# Altium PCB 电解水杯拼版6in1.PcbDoc (part 8 of 9)
Units mm, origin at the board's own origin, x right, y up, seen from the top; angles counter-clockwise.
Board outline 210 x 138 mm, 2 copper layers (Top Layer, Bottom Layer); 750 components, 0 nets, 2092 pads, 2070 vias.
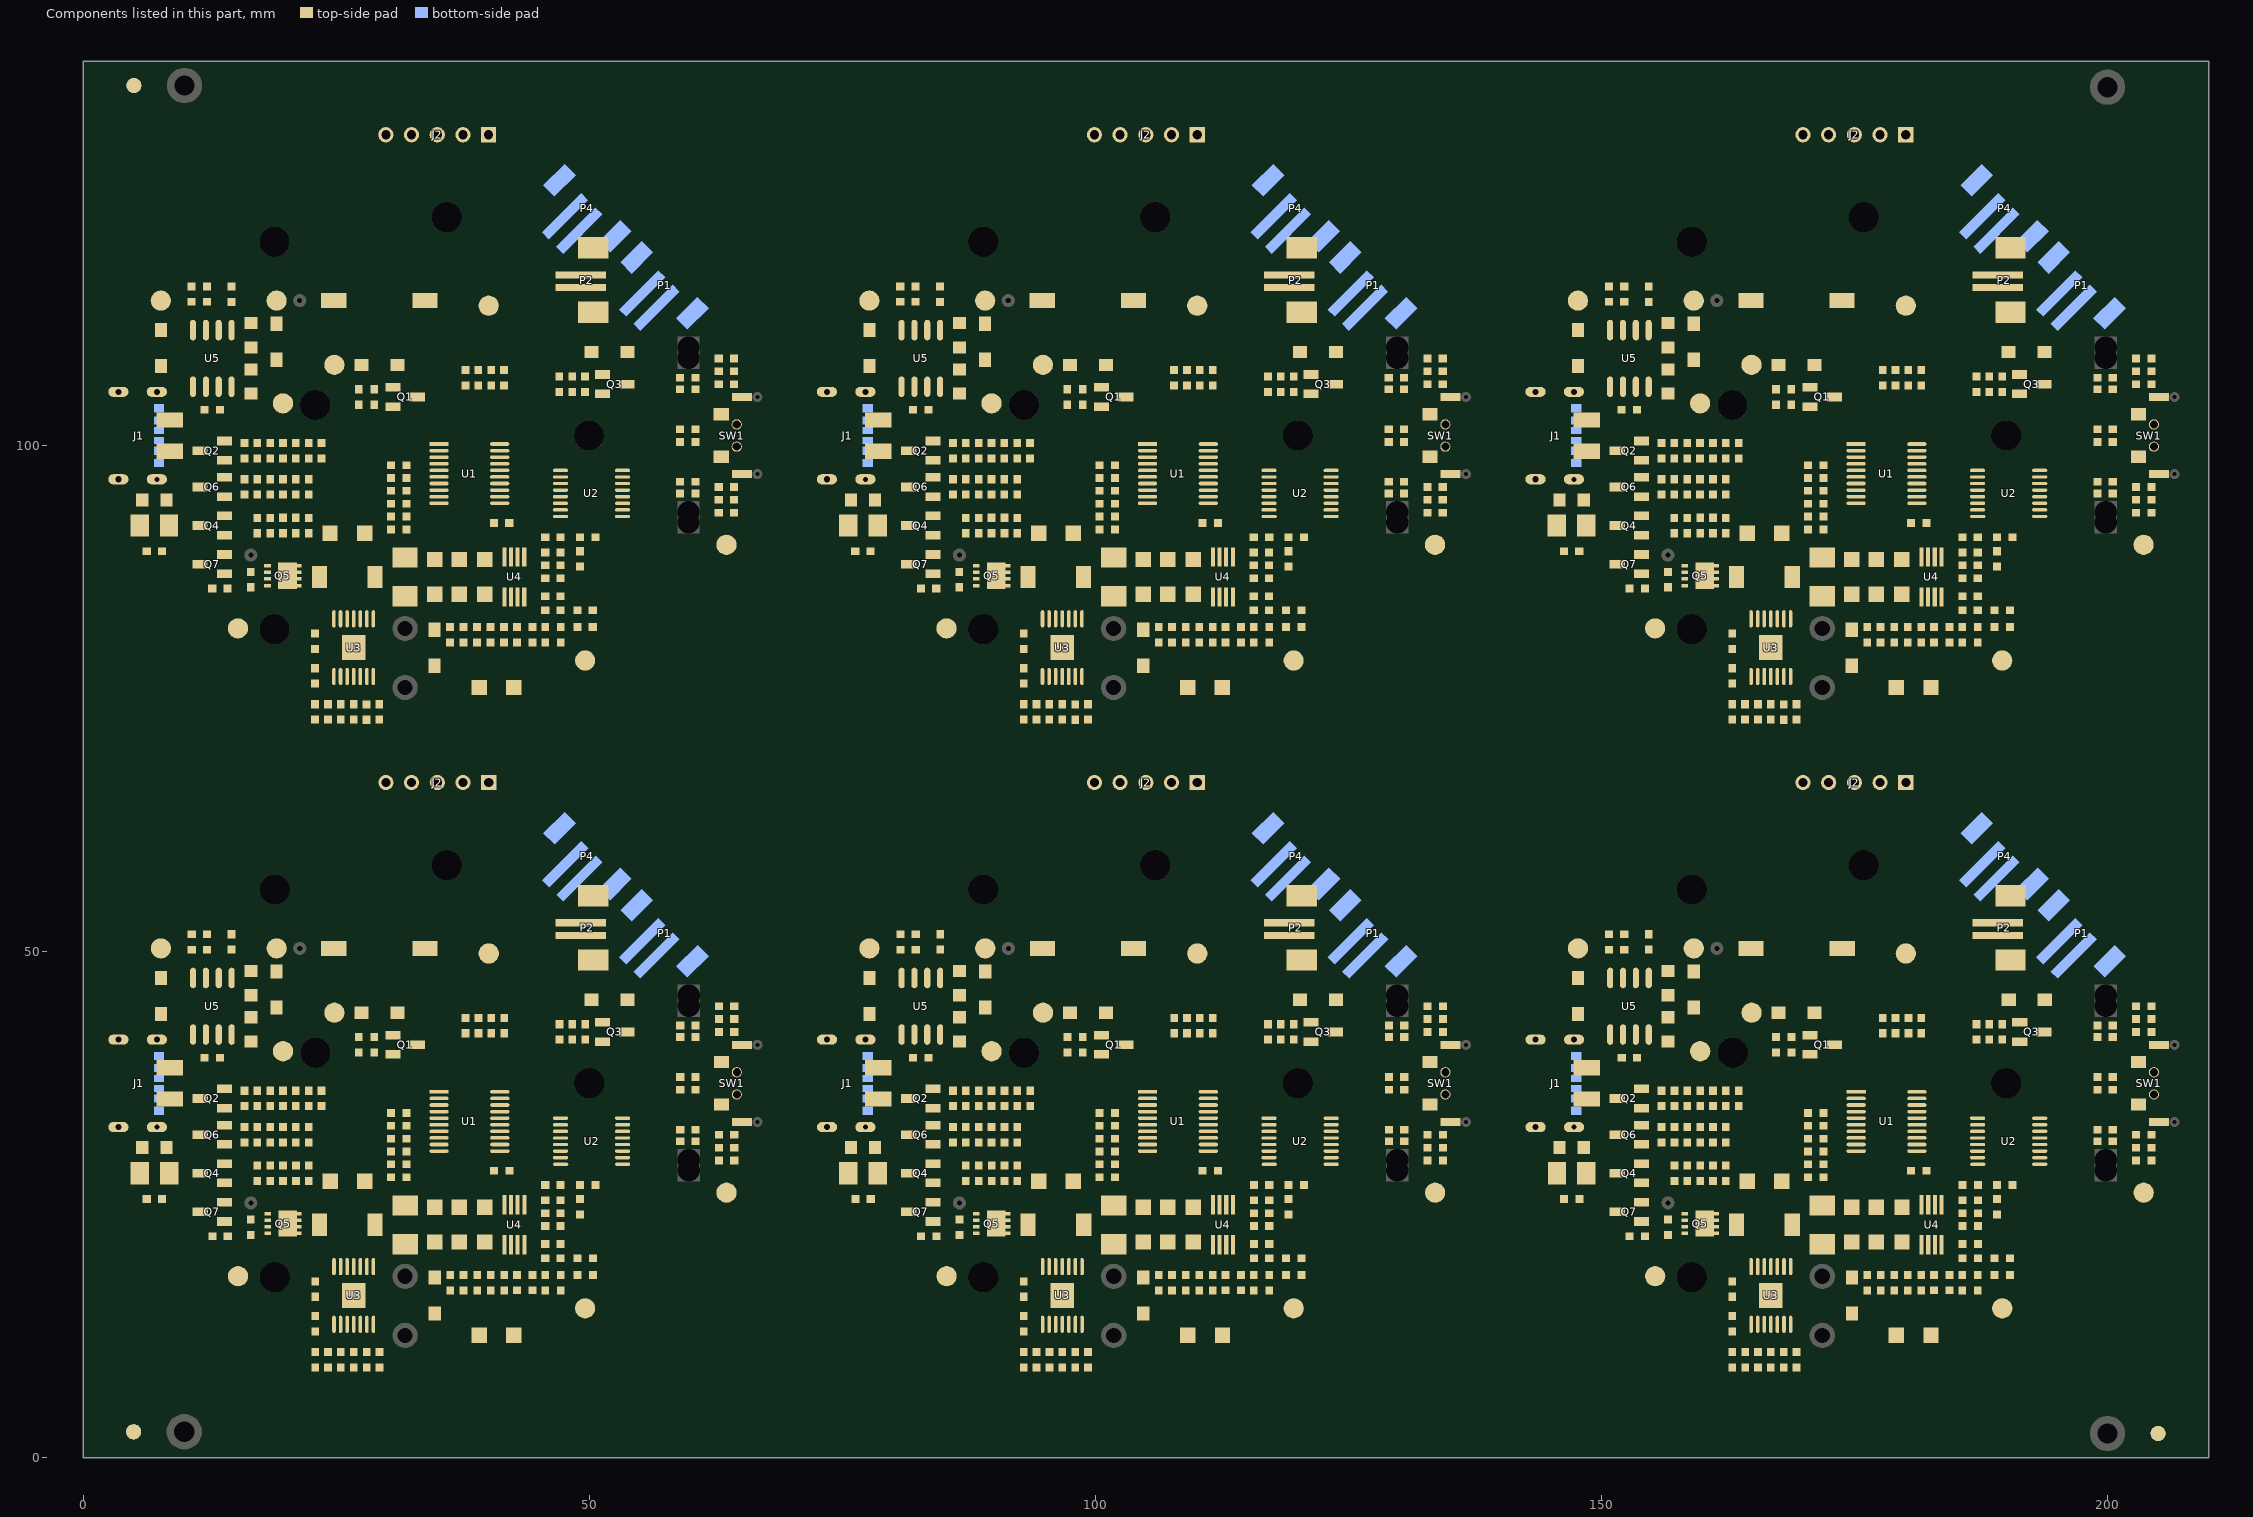
[diagram p8: the components of this part, seen from the top]

## Via types
v1: diameter 0.6, hole 0.3, Top Layer to Bottom Layer, 1968 vias
v2: diameter 0.8, hole 0.4, Top Layer to Bottom Layer, 102 vias

## Nets (pads, with @x,y where several pads share a name; then routed paths per layer and width w, separated by ;. In a path a pad name is that pad's centre, name@x,y a point inside that pad or via, vN(x,y) a via of type N, cw(c..) or ccw(c..) an arc to the next point about the centre after c; other vN are vias at no path point) (continued)
copper on no net: (continued)
  Bottom Layer w0.254: 7.518,100.5 21.284,100.5 v1(22.292,101.508) ; 7.518,101.5 v1@19.744,101.5 ; 7.524,36.5 21.29,36.5 v1(22.298,37.508) ; 7.524,37.5 v1@19.75,37.5 ; 7.826,100.342 cw(c8.206,99.962) 8.206,100.5 cw(c8.206,101.038) 7.826,100.658 ; 7.826,101.342 cw(c8.206,100.962) 8.206,101.5 cw(c8.206,102.038) 7.826,101.658 ; 7.831,36.342 cw(c8.212,35.962) 8.212,36.5 cw(c8.212,37.038) 7.831,36.658 ; 7.831,37.342 cw(c8.212,36.962) 8.212,37.5 cw(c8.212,38.038) 7.831,37.658 ; 19.315,101.5 ccw(c19.315,101.945) v1@19.63,101.63 ; 19.321,37.5 ccw(c19.321,37.945) v1@19.635,37.63 ; 19.354,101.5 cw(c19.354,101.11) v1@19.63,101.386 ; 19.359,37.5 cw(c19.359,37.11) v1@19.635,37.386 ; v1(19.752,93.888) 24.324,93.888 24.832,94.396 v1(24.832,100.162) ; v1(19.758,29.888) 24.33,29.888 24.838,30.396 v1(24.838,36.162) ; v1@19.874,93.766 cw(c20.17,93.47) 20.17,93.888 cw(c20.17,94.306) v1@19.874,94.01 ; v1@19.88,29.766 cw(c20.175,29.47) 20.175,29.888 cw(c20.175,30.306) v1@19.88,30.01 ; v1@22.119,101.508 cw(c21.701,101.508) 21.997,101.213 cw(c22.292,100.917) v1@22.292,101.335 ; v1@22.125,37.508 cw(c21.707,37.508) 22.002,37.213 cw(c22.298,36.917) v1@22.298,37.335 ; v1@24.71,100.039 cw(c24.414,99.744) 24.832,99.744 cw(c25.25,99.744) v1@24.954,100.039 ; v1@24.715,36.039 cw(c24.42,35.744) 24.838,35.744 cw(c25.255,35.744) v1@24.96,36.039 ; v1(25.467,105.445) 26.102,106.08 v1(26.102,109.89) ; v1@25.467,105.618 ccw(c25.467,106.036) 25.762,105.74 ccw(c26.058,105.445) v1@25.64,105.445 ; v1(25.473,41.445) 26.108,42.08 v1(26.108,45.89) ; v1@25.473,41.618 ccw(c25.473,42.036) 25.768,41.74 ccw(c26.063,41.445) v1@25.646,41.445 ; v1@25.472,96.804 ccw(c25.176,97.1) 25.594,97.1 ccw(c26.012,97.1) v1@25.716,96.804 ; v1@25.472,100.878 cw(c25.176,100.582) 25.594,100.582 cw(c26.012,100.582) v1@25.716,100.878 ; v1@25.477,32.804 ccw(c25.182,33.1) 25.6,33.1 ccw(c26.017,33.1) v1@25.722,32.804 ; v1@25.477,36.878 cw(c25.182,36.582) 25.6,36.582 cw(c26.017,36.582) v1@25.722,36.878 ; v1(25.594,96.682) v1(25.594,101) ; v1(25.6,32.682) v1(25.6,37) ; v1@25.98,109.768 cw(c25.684,109.472) 26.102,109.472 cw(c26.52,109.472) v1@26.224,109.768 ; v1@25.985,45.768 cw(c25.69,45.472) 26.108,45.472 cw(c26.525,45.472) v1@26.23,45.768 ; 32.011,130.278 cw(c30.948,129.215) 32.452,129.215 cw(c33.956,129.215) 32.892,130.278 ; 32.017,66.278 cw(c30.953,65.215) 32.457,65.215 cw(c33.961,65.215) 32.898,66.278 ; 32.191,130.458 cw(c31.561,129.828) 32.452,129.828 cw(c33.343,129.828) 32.713,130.458 ; 32.196,66.458 cw(c31.566,65.828) 32.457,65.828 cw(c33.348,65.828) 32.718,66.458 ; 32.452,130.719 32.452,128.305 33.087,127.67 39.056,127.67 39.437,127.289 39.437,120.177 36.008,116.748 v1(36.008,116.24) ; 32.457,66.719 32.457,64.305 33.092,63.67 39.062,63.67 39.443,63.289 39.443,56.177 36.014,52.748 v1(36.014,52.24) ; v1(33.622,98.212) 35.379,98.212 36.008,98.841 v1(36.008,104.302) ; v1(33.627,34.212) 35.384,34.212 36.014,34.841 v1(36.014,40.302) ; v1@33.744,98.089 cw(c34.04,97.794) 34.04,98.212 cw(c34.04,98.629) v1@33.744,98.334 ; v1@33.75,34.089 cw(c34.045,33.794) 34.045,34.212 cw(c34.045,34.629) v1@33.75,34.334 ; 34.551,130.278 cw(c33.488,129.215) 34.992,129.215 cw(c36.496,129.215) 35.432,130.278 ; 34.557,66.278 cw(c33.493,65.215) 34.997,65.215 cw(c36.501,65.215) 35.438,66.278 ; 34.731,130.458 cw(c34.101,129.828) 34.992,129.828 cw(c35.883,129.828) 35.253,130.458 ; 34.736,66.458 cw(c34.106,65.828) 34.997,65.828 cw(c35.888,65.828) 35.258,66.458 ; 34.992,130.719 34.992,128.813 35.5,128.305 39.437,128.305 40.072,127.67 40.072,119.662 36.897,116.487 36.897,115.859 37.278,115.478 38.294,115.478 v1(39.056,116.24) ; 34.997,66.719 34.997,64.813 35.506,64.305 39.443,64.305 40.078,63.67 40.078,55.662 36.903,52.487 36.903,51.859 37.284,51.478 38.3,51.478 v1(39.062,52.24) ; v1@35.886,104.18 cw(c35.59,103.884) 36.008,103.884 cw(c36.426,103.884) v1@36.13,104.18 ; v1@35.886,116.362 ccw(c35.59,116.658) 36.008,116.658 ccw(c36.426,116.658) v1@36.13,116.362 ; v1@35.891,40.18 cw(c35.596,39.884) 36.014,39.884 cw(c36.431,39.884) v1@36.136,40.18 ; v1@35.891,52.362 ccw(c35.596,52.658) 36.014,52.658 ccw(c36.431,52.658) v1@36.136,52.362 ; v1@36.775,95.734 ccw(c36.479,96.029) 36.897,96.029 ccw(c37.315,96.029) v1@37.019,95.734 ; v1@36.775,103.418 cw(c36.479,103.122) 36.897,103.122 cw(c37.315,103.122) v1@37.019,103.418 ; v1@36.78,31.734 ccw(c36.485,32.029) 36.903,32.029 ccw(c37.32,32.029) v1@37.025,31.734 ; v1@36.78,39.418 cw(c36.485,39.122) 36.903,39.122 cw(c37.32,39.122) v1@37.025,39.418 ; v1(36.897,95.612) v1(36.897,103.54) ; v1(36.903,31.612) v1(36.903,39.54) ; 37.091,130.278 cw(c36.028,129.215) 37.532,129.215 cw(c39.036,129.215) 37.972,130.278 ; 37.097,66.278 cw(c36.033,65.215) 37.537,65.215 cw(c39.041,65.215) 37.978,66.278 ; 37.271,130.458 cw(c36.641,129.828) 37.532,129.828 cw(c38.423,129.828) 37.793,130.458 ; 37.276,66.458 cw(c36.646,65.828) 37.537,65.828 cw(c38.428,65.828) 37.798,66.458 ; 37.532,130.719 37.532,129.194 37.786,128.94 40.072,128.94 40.707,128.305 40.707,119.161 v1(37.786,116.24) ; 37.537,66.719 37.537,65.194 37.792,64.94 40.078,64.94 40.713,64.305 40.713,55.161 v1(37.792,52.24) ; v1@37.664,98.074 ccw(c37.368,98.37) 37.786,98.37 ccw(c38.204,98.37) v1@37.908,98.074 ; v1@37.664,104.18 cw(c37.368,103.884) 37.786,103.884 cw(c38.204,103.884) v1@37.908,104.18 ; v1@37.669,34.074 ccw(c37.374,34.37) 37.792,34.37 ccw(c38.209,34.37) v1@37.914,34.074 ; v1@37.669,40.18 cw(c37.374,39.884) 37.792,39.884 cw(c38.209,39.884) v1@37.914,40.18 ; v1(37.786,97.952) v1(37.786,104.302) ; v1@37.786,116.413 ccw(c37.786,116.831) 38.081,116.535 ccw(c38.377,116.24) v1@37.959,116.24 ; v1(37.792,33.952) v1(37.792,40.302) ; v1@37.792,52.413 ccw(c37.792,52.831) 38.087,52.535 ccw(c38.382,52.24) v1@37.965,52.24 ; v1@38.883,116.24 cw(c38.465,116.24) 38.761,115.945 cw(c39.056,115.649) v1@39.056,116.067 ; v1@38.889,52.24 cw(c38.471,52.24) 38.766,51.945 cw(c39.062,51.649) v1@39.062,52.067 ; v1@39.315,97.684 ccw(c39.019,97.979) 39.437,97.979 ccw(c39.855,97.979) v1@39.559,97.684 ; v1@39.315,100.878 cw(c39.019,100.582) 39.437,100.582 cw(c39.855,100.582) v1@39.559,100.878 ; v1@39.32,33.684 ccw(c39.025,33.979) 39.443,33.979 ccw(c39.86,33.979) v1@39.565,33.684 ; v1@39.32,36.878 cw(c39.025,36.582) 39.443,36.582 cw(c39.86,36.582) v1@39.565,36.878 ; v1(39.437,97.562) v1(39.437,101) ; v1(39.443,33.562) v1(39.443,37) ; v1(42.612,113.827) v1(47.184,113.827) ; v1(42.618,49.827) v1(47.19,49.827) ; v1@42.617,93.756 ccw(c42.321,94.052) 42.739,94.052 ccw(c43.157,94.052) v1@42.861,93.756 ; v1@42.617,101.64 cw(c42.321,101.344) 42.739,101.344 cw(c43.157,101.344) v1@42.861,101.64 ; v1@42.622,29.756 ccw(c42.327,30.052) 42.745,30.052 ccw(c43.162,30.052) v1@42.867,29.756 ; v1@42.622,37.64 cw(c42.327,37.344) 42.745,37.344 cw(c43.162,37.344) v1@42.867,37.64 ; v1@42.734,113.705 cw(c43.03,113.409) 43.03,113.827 cw(c43.03,114.245) v1@42.734,113.949 ; v1@42.74,49.705 cw(c43.035,49.409) 43.035,49.827 cw(c43.035,50.245) v1@42.74,49.949 ; v1(42.739,93.634) v1(42.739,101.762) ; v1(42.739,103.54) 43.374,103.54 43.628,103.286 v1(43.628,98.841) ; v1(42.745,29.634) v1(42.745,37.762) ; v1(42.745,39.54) 43.38,39.54 43.634,39.286 v1(43.634,34.841) ; v1@42.861,103.418 cw(c43.157,103.122) 43.157,103.54 cw(c43.157,103.958) v1@42.861,103.662 ; v1@42.867,39.418 cw(c43.162,39.122) 43.162,39.54 cw(c43.162,39.958) v1@42.867,39.662 ; v1@43.506,98.963 ccw(c43.21,99.259) 43.628,99.259 ccw(c44.046,99.259) v1@43.75,98.963 ; v1@43.511,34.963 ccw(c43.216,35.259) 43.634,35.259 ccw(c44.051,35.259) v1@43.756,34.963 ; v1@47.062,113.705 ccw(c46.766,113.409) 46.766,113.827 ccw(c46.766,114.245) v1@47.062,113.949 ; v1@47.067,49.705 ccw(c46.772,49.409) 46.772,49.827 ccw(c46.772,50.245) v1@47.067,49.949 ; 77.518,100.5 91.284,100.5 v1(92.292,101.508) ; 77.518,101.5 v1@89.744,101.5 ; 77.524,36.5 91.29,36.5 v1(92.298,37.508) ; 77.524,37.5 v1@89.75,37.5 ; 77.826,100.342 cw(c78.206,99.962) 78.206,100.5 cw(c78.206,101.038) 77.826,100.658 ; 77.826,101.342 cw(c78.206,100.962) 78.206,101.5 cw(c78.206,102.038) 77.826,101.658 ; 77.831,36.342 cw(c78.212,35.962) 78.212,36.5 cw(c78.212,37.038) 77.831,36.658 ; 77.831,37.342 cw(c78.212,36.962) 78.212,37.5 cw(c78.212,38.038) 77.831,37.658 ; 89.315,101.5 ccw(c89.315,101.945) v1@89.63,101.63 ; 89.321,37.5 ccw(c89.321,37.945) v1@89.635,37.63 ; 89.354,101.5 cw(c89.354,101.11) v1@89.63,101.386 ; 89.359,37.5 cw(c89.359,37.11) v1@89.635,37.386 ; v1(89.752,93.888) 94.324,93.888 94.832,94.396 v1(94.832,100.162) ; v1(89.758,29.888) 94.33,29.888 94.838,30.396 v1(94.838,36.162) ; v1@89.874,93.766 cw(c90.17,93.47) 90.17,93.888 cw(c90.17,94.306) v1@89.874,94.01 ; v1@89.88,29.766 cw(c90.175,29.47) 90.175,29.888 cw(c90.175,30.306) v1@89.88,30.01 ; v1@92.119,101.508 cw(c91.701,101.508) 91.997,101.213 cw(c92.292,100.917) v1@92.292,101.335 ; v1@92.125,37.508 cw(c91.707,37.508) 92.002,37.213 cw(c92.298,36.917) v1@92.298,37.335 ; v1@94.71,100.039 cw(c94.414,99.744) 94.832,99.744 cw(c95.25,99.744) v1@94.954,100.039 ; v1@94.715,36.039 cw(c94.42,35.744) 94.838,35.744 cw(c95.255,35.744) v1@94.96,36.039 ; v1(95.467,105.445) 96.102,106.08 v1(96.102,109.89) ; v1@95.467,105.618 ccw(c95.467,106.036) 95.762,105.74 ccw(c96.058,105.445) v1@95.64,105.445 ; v1(95.473,41.445) 96.108,42.08 v1(96.108,45.89) ; v1@95.473,41.618 ccw(c95.473,42.036) 95.768,41.74 ccw(c96.063,41.445) v1@95.646,41.445 ; v1@95.472,96.804 ccw(c95.176,97.1) 95.594,97.1 ccw(c96.012,97.1) v1@95.716,96.804 ; v1@95.472,100.878 cw(c95.176,100.582) 95.594,100.582 cw(c96.012,100.582) v1@95.716,100.878 ; v1@95.477,32.804 ccw(c95.182,33.1) 95.6,33.1 ccw(c96.017,33.1) v1@95.722,32.804 ; v1@95.477,36.878 cw(c95.182,36.582) 95.6,36.582 cw(c96.017,36.582) v1@95.722,36.878 ; v1(95.594,96.682) v1(95.594,101) ; v1(95.6,32.682) v1(95.6,37) ; v1@95.98,109.768 cw(c95.684,109.472) 96.102,109.472 cw(c96.52,109.472) v1@96.224,109.768 ; v1@95.985,45.768 cw(c95.69,45.472) 96.108,45.472 cw(c96.525,45.472) v1@96.23,45.768 ; 102.011,130.278 cw(c100.948,129.215) 102.452,129.215 cw(c103.956,129.215) 102.892,130.278 ; 102.017,66.278 cw(c100.953,65.215) 102.457,65.215 cw(c103.961,65.215) 102.898,66.278 ; 102.191,130.458 cw(c101.561,129.828) 102.452,129.828 cw(c103.343,129.828) 102.713,130.458 ; 102.196,66.458 cw(c101.566,65.828) 102.457,65.828 cw(c103.348,65.828) 102.718,66.458 ; 102.452,130.719 102.452,128.305 103.087,127.67 109.056,127.67 109.437,127.289 109.437,120.177 106.008,116.748 v1(106.008,116.24) ; 102.457,66.719 102.457,64.305 103.092,63.67 109.062,63.67 109.443,63.289 109.443,56.177 106.014,52.748 v1(106.014,52.24) ; v1(103.622,98.212) 105.379,98.212 106.008,98.841 v1(106.008,104.302) ; v1(103.627,34.212) 105.384,34.212 106.014,34.841 v1(106.014,40.302) ; v1@103.744,98.089 cw(c104.04,97.794) 104.04,98.212 cw(c104.04,98.629) v1@103.744,98.334 ; v1@103.75,34.089 cw(c104.045,33.794) 104.045,34.212 cw(c104.045,34.629) v1@103.75,34.334 ; 104.551,130.278 cw(c103.488,129.215) 104.992,129.215 cw(c106.496,129.215) 105.432,130.278 ; 104.557,66.278 cw(c103.493,65.215) 104.997,65.215 cw(c106.501,65.215) 105.438,66.278 ; 104.731,130.458 cw(c104.101,129.828) 104.992,129.828 cw(c105.883,129.828) 105.253,130.458 ; 104.736,66.458 cw(c104.106,65.828) 104.997,65.828 cw(c105.888,65.828) 105.258,66.458 ; 104.992,130.719 104.992,128.813 105.5,128.305 109.437,128.305 110.072,127.67 110.072,119.662 106.897,116.487 106.897,115.859 107.278,115.478 108.294,115.478 v1(109.056,116.24) ; 104.997,66.719 104.997,64.813 105.506,64.305 109.443,64.305 110.078,63.67 110.078,55.662 106.903,52.487 106.903,51.859 107.284,51.478 108.3,51.478 v1(109.062,52.24) ; v1@105.886,104.18 cw(c105.59,103.884) 106.008,103.884 cw(c106.426,103.884) v1@106.13,104.18 ; v1@105.886,116.362 ccw(c105.59,116.658) 106.008,116.658 ccw(c106.426,116.658) v1@106.13,116.362 ; v1@105.891,40.18 cw(c105.596,39.884) 106.014,39.884 cw(c106.431,39.884) v1@106.136,40.18 ; v1@105.891,52.362 ccw(c105.596,52.658) 106.014,52.658 ccw(c106.431,52.658) v1@106.136,52.362 ; v1@106.775,95.734 ccw(c106.479,96.029) 106.897,96.029 ccw(c107.315,96.029) v1@107.019,95.734 ; v1@106.775,103.418 cw(c106.479,103.122) 106.897,103.122 cw(c107.315,103.122) v1@107.019,103.418 ; v1@106.78,31.734 ccw(c106.485,32.029) 106.903,32.029 ccw(c107.32,32.029) v1@107.025,31.734 ; v1@106.78,39.418 cw(c106.485,39.122) 106.903,39.122 cw(c107.32,39.122) v1@107.025,39.418 ; v1(106.897,95.612) v1(106.897,103.54) ; v1(106.903,31.612) v1(106.903,39.54) ; 107.091,130.278 cw(c106.028,129.215) 107.532,129.215 cw(c109.036,129.215) 107.972,130.278 ; 107.097,66.278 cw(c106.033,65.215) 107.537,65.215 cw(c109.041,65.215) 107.978,66.278 ; 107.271,130.458 cw(c106.641,129.828) 107.532,129.828 cw(c108.423,129.828) 107.793,130.458 ; 107.276,66.458 cw(c106.646,65.828) 107.537,65.828 cw(c108.428,65.828) 107.798,66.458 ; 107.532,130.719 107.532,129.194 107.786,128.94 110.072,128.94 110.707,128.305 110.707,119.161 v1(107.786,116.24) ; 107.537,66.719 107.537,65.194 107.792,64.94 110.078,64.94 110.713,64.305 110.713,55.161 v1(107.792,52.24) ; v1@107.664,98.074 ccw(c107.368,98.37) 107.786,98.37 ccw(c108.204,98.37) v1@107.908,98.074 ; v1@107.664,104.18 cw(c107.368,103.884) 107.786,103.884 cw(c108.204,103.884) v1@107.908,104.18 ; v1@107.669,34.074 ccw(c107.374,34.37) 107.792,34.37 ccw(c108.209,34.37) v1@107.914,34.074 ; v1@107.669,40.18 cw(c107.374,39.884) 107.792,39.884 cw(c108.209,39.884) v1@107.914,40.18 ; v1(107.786,97.952) v1(107.786,104.302) ; v1@107.786,116.413 ccw(c107.786,116.831) 108.081,116.535 ccw(c108.377,116.24) v1@107.959,116.24 ; v1(107.792,33.952) v1(107.792,40.302) ; v1@107.792,52.413 ccw(c107.792,52.831) 108.087,52.535 ccw(c108.382,52.24) v1@107.965,52.24 ; v1@108.883,116.24 cw(c108.465,116.24) 108.761,115.945 cw(c109.056,115.649) v1@109.056,116.067 ; v1@108.889,52.24 cw(c108.471,52.24) 108.766,51.945 cw(c109.062,51.649) v1@109.062,52.067 ; v1@109.315,97.684 ccw(c109.019,97.979) 109.437,97.979 ccw(c109.855,97.979) v1@109.559,97.684 ; v1@109.315,100.878 cw(c109.019,100.582) 109.437,100.582 cw(c109.855,100.582) v1@109.559,100.878 ; v1@109.32,33.684 ccw(c109.025,33.979) 109.443,33.979 ccw(c109.86,33.979) v1@109.565,33.684 ; v1@109.32,36.878 cw(c109.025,36.582) 109.443,36.582 cw(c109.86,36.582) v1@109.565,36.878 ; v1(109.437,97.562) v1(109.437,101) ; v1(109.443,33.562) v1(109.443,37) ; v1(112.612,113.827) v1(117.184,113.827) ; v1(112.618,49.827) v1(117.19,49.827) ; v1@112.617,93.756 ccw(c112.321,94.052) 112.739,94.052 ccw(c113.157,94.052) v1@112.861,93.756 ; v1@112.617,101.64 cw(c112.321,101.344) 112.739,101.344 cw(c113.157,101.344) v1@112.861,101.64 ; v1@112.622,29.756 ccw(c112.327,30.052) 112.745,30.052 ccw(c113.162,30.052) v1@112.867,29.756 ; v1@112.622,37.64 cw(c112.327,37.344) 112.745,37.344 cw(c113.162,37.344) v1@112.867,37.64 ; v1@112.734,113.705 cw(c113.03,113.409) 113.03,113.827 cw(c113.03,114.245) v1@112.734,113.949 ; v1(112.739,93.634) v1(112.739,101.762) ; v1(112.739,103.54) 113.374,103.54 113.628,103.286 v1(113.628,98.841) ; v1@112.74,49.705 cw(c113.035,49.409) 113.035,49.827 cw(c113.035,50.245) v1@112.74,49.949 ; v1(112.745,29.634) v1(112.745,37.762) ; v1(112.745,39.54) 113.38,39.54 113.634,39.286 v1(113.634,34.841) ; v1@112.861,103.418 cw(c113.157,103.122) 113.157,103.54 cw(c113.157,103.958) v1@112.861,103.662 ; v1@112.867,39.418 cw(c113.162,39.122) 113.162,39.54 cw(c113.162,39.958) v1@112.867,39.662 ; v1@113.506,98.963 ccw(c113.21,99.259) 113.628,99.259 ccw(c114.046,99.259) v1@113.75,98.963 ; v1@113.511,34.963 ccw(c113.216,35.259) 113.634,35.259 ccw(c114.051,35.259) v1@113.756,34.963 ; v1@117.062,113.705 ccw(c116.766,113.409) 116.766,113.827 ccw(c116.766,114.245) v1@117.062,113.949 ; v1@117.067,49.705 ccw(c116.772,49.409) 116.772,49.827 ccw(c116.772,50.245) v1@117.067,49.949 ; 147.518,100.5 161.284,100.5 v1(162.292,101.508) ; 147.518,101.5 v1@159.744,101.5 ; 147.524,36.5 161.29,36.5 v1(162.298,37.508) ; 147.524,37.5 v1@159.75,37.5 ; 147.826,100.342 cw(c148.206,99.962) 148.206,100.5 cw(c148.206,101.038) 147.826,100.658 ; 147.826,101.342 cw(c148.206,100.962) 148.206,101.5 cw(c148.206,102.038) 147.826,101.658 ; 147.831,36.342 cw(c148.212,35.962) 148.212,36.5 cw(c148.212,37.038) 147.831,36.658 ; 147.831,37.342 cw(c148.212,36.962) 148.212,37.5 cw(c148.212,38.038) 147.831,37.658 ; 159.315,101.5 ccw(c159.315,101.945) v1@159.63,101.63 ; 159.321,37.5 ccw(c159.321,37.945) v1@159.635,37.63 ; 159.354,101.5 cw(c159.354,101.11) v1@159.63,101.386 ; 159.359,37.5 cw(c159.359,37.11) v1@159.635,37.386 ; v1(159.752,93.888) 164.324,93.888 164.832,94.396 v1(164.832,100.162) ; v1(159.758,29.888) 164.33,29.888 164.838,30.396 v1(164.838,36.162) ; v1@159.874,93.766 cw(c160.17,93.47) 160.17,93.888 cw(c160.17,94.306) v1@159.874,94.01 ; v1@159.88,29.766 cw(c160.175,29.47) 160.175,29.888 cw(c160.175,30.306) v1@159.88,30.01 ; v1@162.119,101.508 cw(c161.701,101.508) 161.997,101.213 cw(c162.292,100.917) v1@162.292,101.335 ; v1@162.125,37.508 cw(c161.707,37.508) 162.002,37.213 cw(c162.298,36.917) v1@162.298,37.335 ; v1@164.71,100.039 cw(c164.414,99.744) 164.832,99.744 cw(c165.25,99.744) v1@164.954,100.039 ; v1@164.715,36.039 cw(c164.42,35.744) 164.838,35.744 cw(c165.255,35.744) v1@164.96,36.039 ; v1(165.467,105.445) 166.102,106.08 v1(166.102,109.89) ; v1@165.467,105.618 ccw(c165.467,106.036) 165.762,105.74 ccw(c166.058,105.445) v1@165.64,105.445 ; v1(165.473,41.445) 166.108,42.08 v1(166.108,45.89) ; v1@165.473,41.618 ccw(c165.473,42.036) 165.768,41.74 ccw(c166.063,41.445) v1@165.646,41.445 ; v1@165.472,96.804 ccw(c165.176,97.1) 165.594,97.1 ccw(c166.012,97.1) v1@165.716,96.804 ; v1@165.472,100.878 cw(c165.176,100.582) 165.594,100.582 cw(c166.012,100.582) v1@165.716,100.878 ; v1@165.477,32.804 ccw(c165.182,33.1) 165.6,33.1 ccw(c166.017,33.1) v1@165.722,32.804 ; v1@165.477,36.878 cw(c165.182,36.582) 165.6,36.582 cw(c166.017,36.582) v1@165.722,36.878 ; v1(165.594,96.682) v1(165.594,101) ; v1(165.6,32.682) v1(165.6,37) ; v1@165.98,109.768 cw(c165.684,109.472) 166.102,109.472 cw(c166.52,109.472) v1@166.224,109.768 ; v1@165.985,45.768 cw(c165.69,45.472) 166.108,45.472 cw(c166.525,45.472) v1@166.23,45.768 ; 172.011,130.278 cw(c170.948,129.215) 172.452,129.215 cw(c173.956,129.215) 172.892,130.278 ; 172.017,66.278 cw(c170.953,65.215) 172.457,65.215 cw(c173.961,65.215) 172.898,66.278 ; 172.191,130.458 cw(c171.561,129.828) 172.452,129.828 cw(c173.343,129.828) 172.713,130.458 ; 172.196,66.458 cw(c171.566,65.828) 172.457,65.828 cw(c173.348,65.828) 172.718,66.458 ; 172.452,130.719 172.452,128.305 173.087,127.67 179.056,127.67 179.437,127.289 179.437,120.177 176.008,116.748 v1(176.008,116.24) ; 172.457,66.719 172.457,64.305 173.092,63.67 179.062,63.67 179.443,63.289 179.443,56.177 176.014,52.748 v1(176.014,52.24) ; v1(173.622,98.212) 175.379,98.212 176.008,98.841 v1(176.008,104.302) ; v1(173.627,34.212) 175.384,34.212 176.014,34.841 v1(176.014,40.302) ; v1@173.744,98.089 cw(c174.04,97.794) 174.04,98.212 cw(c174.04,98.629) v1@173.744,98.334 ; v1@173.75,34.089 cw(c174.045,33.794) 174.045,34.212 cw(c174.045,34.629) v1@173.75,34.334 ; 174.551,130.278 cw(c173.488,129.215) 174.992,129.215 cw(c176.496,129.215) 175.432,130.278 ; 174.557,66.278 cw(c173.493,65.215) 174.997,65.215 cw(c176.501,65.215) 175.438,66.278 ; 174.731,130.458 cw(c174.101,129.828) 174.992,129.828 cw(c175.883,129.828) 175.253,130.458 ; 174.736,66.458 cw(c174.106,65.828) 174.997,65.828 cw(c175.888,65.828) 175.258,66.458 ; 174.992,130.719 174.992,128.813 175.5,128.305 179.437,128.305 180.072,127.67 180.072,119.662 176.897,116.487 176.897,115.859 177.278,115.478 178.294,115.478 v1(179.056,116.24) ; 174.997,66.719 174.997,64.813 175.506,64.305 179.443,64.305 180.078,63.67 180.078,55.662 176.903,52.487 176.903,51.859 177.284,51.478 178.3,51.478 v1(179.062,52.24) ; v1@175.886,104.18 cw(c175.59,103.884) 176.008,103.884 cw(c176.426,103.884) v1@176.13,104.18 ; v1@175.886,116.362 ccw(c175.59,116.658) 176.008,116.658 ccw(c176.426,116.658) v1@176.13,116.362 ; v1@175.891,40.18 cw(c175.596,39.884) 176.014,39.884 cw(c176.431,39.884) v1@176.136,40.18 ; v1@175.891,52.362 ccw(c175.596,52.658) 176.014,52.658 ccw(c176.431,52.658) v1@176.136,52.362 ; v1@176.775,95.734 ccw(c176.479,96.029) 176.897,96.029 ccw(c177.315,96.029) v1@177.019,95.734 ; v1@176.775,103.418 cw(c176.479,103.122) 176.897,103.122 cw(c177.315,103.122) v1@177.019,103.418 ; v1@176.78,31.734 ccw(c176.485,32.029) 176.903,32.029 ccw(c177.32,32.029) v1@177.025,31.734 ; v1@176.78,39.418 cw(c176.485,39.122) 176.903,39.122 cw(c177.32,39.122) v1@177.025,39.418 ; v1(176.897,95.612) v1(176.897,103.54) ; v1(176.903,31.612) v1(176.903,39.54) ; 177.091,130.278 cw(c176.028,129.215) 177.532,129.215 cw(c179.036,129.215) 177.972,130.278 ; 177.097,66.278 cw(c176.033,65.215) 177.537,65.215 cw(c179.041,65.215) 177.978,66.278 ; 177.271,130.458 cw(c176.641,129.828) 177.532,129.828 cw(c178.423,129.828) 177.793,130.458 ; 177.276,66.458 cw(c176.646,65.828) 177.537,65.828 cw(c178.428,65.828) 177.798,66.458 ; 177.532,130.719 177.532,129.194 177.786,128.94 180.072,128.94 180.707,128.305 180.707,119.161 v1(177.786,116.24) ; 177.537,66.719 177.537,65.194 177.792,64.94 180.078,64.94 180.713,64.305 180.713,55.161 v1(177.792,52.24) ; v1@177.664,98.074 ccw(c177.368,98.37) 177.786,98.37 ccw(c178.204,98.37) v1@177.908,98.074 ; v1@177.664,104.18 cw(c177.368,103.884) 177.786,103.884 cw(c178.204,103.884) v1@177.908,104.18 ; v1@177.669,34.074 ccw(c177.374,34.37) 177.792,34.37 ccw(c178.209,34.37) v1@177.914,34.074 ; v1@177.669,40.18 cw(c177.374,39.884) 177.792,39.884 cw(c178.209,39.884) v1@177.914,40.18 ; v1(177.786,97.952) v1(177.786,104.302) ; v1@177.786,116.413 ccw(c177.786,116.831) 178.081,116.535 ccw(c178.377,116.24) v1@177.959,116.24 ; v1(177.792,33.952) v1(177.792,40.302) ; v1@177.792,52.413 ccw(c177.792,52.831) 178.087,52.535 ccw(c178.382,52.24) v1@177.965,52.24 ; v1@178.883,116.24 cw(c178.465,116.24) 178.761,115.945 cw(c179.056,115.649) v1@179.056,116.067 ; v1@178.889,52.24 cw(c178.471,52.24) 178.766,51.945 cw(c179.062,51.649) v1@179.062,52.067 ; v1@179.315,97.684 ccw(c179.019,97.979) 179.437,97.979 ccw(c179.855,97.979) v1@179.559,97.684 ; v1@179.315,100.878 cw(c179.019,100.582) 179.437,100.582 cw(c179.855,100.582) v1@179.559,100.878 ; v1@179.32,33.684 ccw(c179.025,33.979) 179.443,33.979 ccw(c179.86,33.979) v1@179.565,33.684 ; v1@179.32,36.878 cw(c179.025,36.582) 179.443,36.582 cw(c179.86,36.582) v1@179.565,36.878 ; v1(179.437,97.562) v1(179.437,101) ; v1(179.443,33.562) v1(179.443,37) ; v1(182.612,113.827) v1(187.184,113.827) ; v1(182.618,49.827) v1(187.19,49.827) ; v1@182.617,93.756 ccw(c182.321,94.052) 182.739,94.052 ccw(c183.157,94.052) v1@182.861,93.756 ; v1@182.617,101.64 cw(c182.321,101.344) 182.739,101.344 cw(c183.157,101.344) v1@182.861,101.64 ; v1@182.622,29.756 ccw(c182.327,30.052) 182.745,30.052 ccw(c183.162,30.052) v1@182.867,29.756 ; v1@182.622,37.64 cw(c182.327,37.344) 182.745,37.344 cw(c183.162,37.344) v1@182.867,37.64 ; v1@182.734,113.705 cw(c183.03,113.409) 183.03,113.827 cw(c183.03,114.245) v1@182.734,113.949 ; v1(182.739,93.634) v1(182.739,101.762) ; v1(182.739,103.54) 183.374,103.54 183.628,103.286 v1(183.628,98.841) ; v1@182.74,49.705 cw(c183.035,49.409) 183.035,49.827 cw(c183.035,50.245) v1@182.74,49.949 ; v1(182.745,29.634) v1(182.745,37.762) ; v1(182.745,39.54) 183.38,39.54 183.634,39.286 v1(183.634,34.841) ; v1@182.861,103.418 cw(c183.157,103.122) 183.157,103.54 cw(c183.157,103.958) v1@182.861,103.662 ; v1@182.867,39.418 cw(c183.162,39.122) 183.162,39.54 cw(c183.162,39.958) v1@182.867,39.662 ; v1@183.506,98.963 ccw(c183.21,99.259) 183.628,99.259 ccw(c184.046,99.259) v1@183.75,98.963 ; v1@183.511,34.963 ccw(c183.216,35.259) 183.634,35.259 ccw(c184.051,35.259) v1@183.756,34.963 ; v1@187.062,113.705 ccw(c186.766,113.409) 186.766,113.827 ccw(c186.766,114.245) v1@187.062,113.949 ; v1@187.067,49.705 ccw(c186.772,49.409) 186.772,49.827 ccw(c186.772,50.245) v1@187.067,49.949
  Bottom Layer w0.3: 7.518,99.5 17.95,99.5 18.482,98.968 v1(18.482,97.698) ; 7.524,35.5 17.956,35.5 18.488,34.968 v1(18.488,33.698) ; v1@18.376,97.804 ccw(c18.12,98.06) 18.482,98.06 ccw(c18.844,98.06) v1@18.588,97.804 ; v1@18.381,33.804 ccw(c18.125,34.06) 18.488,34.06 ccw(c18.85,34.06) v1@18.594,33.804 ; v1@22.821,82.564 ccw(c22.565,82.82) 22.927,82.82 ccw(c23.289,82.82) v1@23.033,82.564 ; v1@22.821,84.13 cw(c22.565,83.874) 22.927,83.874 cw(c23.289,83.874) v1@23.033,84.13 ; v1@22.826,18.564 ccw(c22.57,18.82) 22.933,18.82 ccw(c23.295,18.82) v1@23.039,18.564 ; v1@22.826,20.13 cw(c22.57,19.874) 22.933,19.874 cw(c23.295,19.874) v1@23.039,20.13 ; v1(22.927,82.458) v1(22.927,84.236) ; v1(22.933,18.458) v1(22.933,20.236) ; v1(28.642,113.065) 38.802,113.065 38.817,113.05 v1@45.391,113.05 ; v1(28.648,49.065) 38.808,49.065 38.823,49.05 v1@45.397,49.05 ; v1@28.748,112.959 cw(c29.004,112.703) 29.004,113.065 cw(c29.004,113.427) v1@28.748,113.171 ; v1@28.754,48.959 cw(c29.01,48.703) 29.01,49.065 cw(c29.01,49.427) v1@28.754,49.171 ; v1@37.49,73.801 ccw(c37.233,74.057) 37.596,74.057 ccw(c37.958,74.057) v1@37.702,73.801 ; v1@37.49,79.304 cw(c37.233,79.048) 37.596,79.048 cw(c37.958,79.048) v1@37.702,79.304 ; v1@37.495,9.801 ccw(c37.239,10.057) 37.601,10.057 ccw(c37.963,10.057) v1@37.707,9.801 ; v1@37.495,15.304 cw(c37.239,15.048) 37.601,15.048 cw(c37.963,15.048) v1@37.707,15.304 ; v1(37.596,73.695) v1(37.596,79.41) ; v1(37.601,9.695) v1(37.601,15.41) ; v1(38.929,83.22) 45.279,83.22 45.66,82.84 v1(45.66,79.411) ; v1(38.935,19.22) 45.285,19.22 45.665,18.84 v1(45.665,15.411) ; v1@39.035,83.114 cw(c39.291,82.858) 39.291,83.22 cw(c39.291,83.582) v1@39.035,83.326 ; v1@39.041,19.114 cw(c39.297,18.858) 39.297,19.22 cw(c39.297,19.582) v1@39.041,19.326 ; v1(40.072,83.982) 46.422,83.983 47.184,83.221 v1(47.184,79.411) ; 40.072,130.119 cw(c40.072,128.67) 41.096,129.694 cw(c42.12,130.719) 40.672,130.719 ; 40.072,130.719 41.469,129.321 v1(41.469,118.272) ; v1(40.078,19.982) 46.427,19.983 47.189,19.221 v1(47.189,15.411) ; 40.077,66.119 cw(c40.077,64.67) 41.102,65.694 cw(c42.126,66.719) 40.677,66.719 ; 40.077,66.719 41.475,65.321 v1(41.475,54.272) ; v1@40.178,83.876 cw(c40.436,83.618) 40.436,83.983 ; v1@40.178,84.088 ccw(c40.433,84.343) 40.433,83.983 ; v1@40.184,19.876 cw(c40.441,19.618) 40.441,19.983 ; v1@40.184,20.088 ccw(c40.438,20.343) 40.438,19.983 ; v1@41.363,118.378 ccw(c41.107,118.634) 41.469,118.634 ccw(c41.831,118.634) v1@41.575,118.378 ; v1@41.368,54.378 ccw(c41.112,54.634) 41.475,54.634 ccw(c41.837,54.634) v1@41.581,54.378 ; 44.517,92.999 v1(45.533,92.999) ; 44.522,28.999 v1(45.539,28.999) ; 44.658,96.91 v1(48.327,96.91) ; 44.664,32.91 v1(48.333,32.91) ; 45.008,113.05 ccw(c45.008,113.463) v1@45.3,113.171 ; 45.013,49.05 ccw(c45.013,49.463) v1@45.305,49.171 ; 45.08,113.05 cw(c45.08,112.739) v1@45.3,112.959 ; 45.086,49.05 cw(c45.086,48.739) v1@45.305,48.959 ; v1@45.427,92.893 ccw(c45.171,92.637) 45.171,92.999 ccw(c45.171,93.361) v1@45.427,93.105 ; v1@45.432,28.893 ccw(c45.176,28.637) 45.176,28.999 ccw(c45.176,29.361) v1@45.432,29.105 ; v1@45.554,79.517 ccw(c45.298,79.773) 45.66,79.773 ccw(c46.022,79.773) v1@45.766,79.517 ; v1@45.559,15.517 ccw(c45.303,15.773) 45.665,15.773 ccw(c46.027,15.773) v1@45.771,15.517 ; v1@47.078,79.517 ccw(c46.822,79.773) 47.184,79.773 ccw(c47.546,79.773) v1@47.29,79.517 ; v1@47.083,15.517 ccw(c46.827,15.773) 47.189,15.773 ccw(c47.551,15.773) v1@47.295,15.517 ; 47.62,122.662 50.469,125.511 52.137,125.511 62.932,114.716 62.932,113.065 61.535,111.668 v1(61.535,103.159) ; 47.625,58.662 50.474,61.511 52.143,61.511 62.938,50.716 62.938,49.065 61.541,47.668 v1(61.541,39.159) ; v1@48.221,96.804 ccw(c47.965,96.548) 47.965,96.91 ccw(c47.965,97.272) v1@48.221,97.016 ; v1@48.226,32.804 ccw(c47.97,32.548) 47.97,32.91 ccw(c47.97,33.272) v1@48.226,33.016 ; v1@61.429,103.265 ccw(c61.173,103.521) 61.535,103.521 ccw(c61.897,103.521) v1@61.641,103.265 ; v1@61.434,39.265 ccw(c61.178,39.521) 61.541,39.521 ccw(c61.903,39.521) v1@61.647,39.265 ; 77.518,99.5 87.95,99.5 88.482,98.968 v1(88.482,97.698) ; 77.524,35.5 87.956,35.5 88.488,34.968 v1(88.488,33.698) ; v1@88.376,97.804 ccw(c88.12,98.06) 88.482,98.06 ccw(c88.844,98.06) v1@88.588,97.804 ; v1@88.381,33.804 ccw(c88.125,34.06) 88.488,34.06 ccw(c88.85,34.06) v1@88.594,33.804 ; v1@92.821,82.564 ccw(c92.565,82.82) 92.927,82.82 ccw(c93.289,82.82) v1@93.033,82.564 ; v1@92.821,84.13 cw(c92.565,83.874) 92.927,83.874 cw(c93.289,83.874) v1@93.033,84.13 ; v1@92.826,18.564 ccw(c92.57,18.82) 92.933,18.82 ccw(c93.295,18.82) v1@93.039,18.564 ; v1@92.826,20.13 cw(c92.57,19.874) 92.933,19.874 cw(c93.295,19.874) v1@93.039,20.13 ; v1(92.927,82.458) v1(92.927,84.236) ; v1(92.933,18.458) v1(92.933,20.236) ; v1(98.642,113.065) 108.802,113.065 108.817,113.05 v1@115.391,113.05 ; v1(98.648,49.065) 108.808,49.065 108.823,49.05 v1@115.397,49.05 ; v1@98.748,112.959 cw(c99.004,112.703) 99.004,113.065 cw(c99.004,113.427) v1@98.748,113.171 ; v1@98.754,48.959 cw(c99.01,48.703) 99.01,49.065 cw(c99.01,49.427) v1@98.754,49.171 ; v1@107.49,73.801 ccw(c107.233,74.057) 107.596,74.057 ccw(c107.958,74.057) v1@107.702,73.801 ; v1@107.49,79.304 cw(c107.233,79.048) 107.596,79.048 cw(c107.958,79.048) v1@107.702,79.304 ; v1@107.495,9.801 ccw(c107.239,10.057) 107.601,10.057 ccw(c107.963,10.057) v1@107.707,9.801 ; v1@107.495,15.304 cw(c107.239,15.048) 107.601,15.048 cw(c107.963,15.048) v1@107.707,15.304 ; v1(107.596,73.695) v1(107.596,79.41) ; v1(107.601,9.695) v1(107.601,15.41) ; v1(108.929,83.22) 115.279,83.22 115.66,82.84 v1(115.66,79.411) ; v1(108.935,19.22) 115.285,19.22 115.665,18.84 v1(115.665,15.411) ; v1@109.035,83.114 cw(c109.291,82.858) 109.291,83.22 cw(c109.291,83.582) v1@109.035,83.326 ; v1@109.041,19.114 cw(c109.297,18.858) 109.297,19.22 cw(c109.297,19.582) v1@109.041,19.326 ; v1(110.072,83.982) 116.422,83.983 117.184,83.221 v1(117.184,79.411) ; 110.072,130.119 cw(c110.072,128.67) 111.096,129.694 cw(c112.12,130.719) 110.672,130.719 ; 110.072,130.719 111.469,129.321 v1(111.469,118.272) ; v1(110.078,19.982) 116.427,19.983 117.189,19.221 v1(117.189,15.411) ; 110.077,66.119 cw(c110.077,64.67) 111.102,65.694 cw(c112.126,66.719) 110.677,66.719 ; 110.077,66.719 111.475,65.321 v1(111.475,54.272) ; v1@110.178,83.876 cw(c110.436,83.618) 110.436,83.983 ; v1@110.178,84.088 ccw(c110.433,84.343) 110.433,83.983 ; v1@110.184,19.876 cw(c110.441,19.618) 110.441,19.983 ; v1@110.184,20.088 ccw(c110.438,20.343) 110.438,19.983 ; v1@111.363,118.378 ccw(c111.107,118.634) 111.469,118.634 ccw(c111.831,118.634) v1@111.575,118.378 ; v1@111.368,54.378 ccw(c111.112,54.634) 111.475,54.634 ccw(c111.837,54.634) v1@111.581,54.378 ; 114.517,92.999 v1(115.533,92.999) ; 114.522,28.999 v1(115.539,28.999) ; 114.658,96.91 v1(118.327,96.91) ; 114.664,32.91 v1(118.333,32.91) ; 115.008,113.05 ccw(c115.008,113.463) v1@115.3,113.171 ; 115.013,49.05 ccw(c115.013,49.463) v1@115.305,49.171 ; 115.08,113.05 cw(c115.08,112.739) v1@115.3,112.959 ; 115.086,49.05 cw(c115.086,48.739) v1@115.305,48.959 ; v1@115.427,92.893 ccw(c115.171,92.637) 115.171,92.999 ccw(c115.171,93.361) v1@115.427,93.105 ; v1@115.432,28.893 ccw(c115.176,28.637) 115.176,28.999 ccw(c115.176,29.361) v1@115.432,29.105 ; v1@115.554,79.517 ccw(c115.298,79.773) 115.66,79.773 ccw(c116.022,79.773) v1@115.766,79.517 ; v1@115.559,15.517 ccw(c115.303,15.773) 115.665,15.773 ccw(c116.027,15.773) v1@115.771,15.517 ; v1@117.078,79.517 ccw(c116.822,79.773) 117.184,79.773 ccw(c117.546,79.773) v1@117.29,79.517 ; v1@117.083,15.517 ccw(c116.827,15.773) 117.189,15.773 ccw(c117.551,15.773) v1@117.295,15.517 ; 117.62,122.662 120.469,125.511 122.137,125.511 132.932,114.716 132.932,113.065 131.535,111.668 v1(131.535,103.159) ; 117.625,58.662 120.474,61.511 122.143,61.511 132.938,50.716 132.938,49.065 131.541,47.668 v1(131.541,39.159) ; v1@118.221,96.804 ccw(c117.965,96.548) 117.965,96.91 ccw(c117.965,97.272) v1@118.221,97.016 ; v1@118.226,32.804 ccw(c117.97,32.548) 117.97,32.91 ccw(c117.97,33.272) v1@118.226,33.016 ; v1@131.429,103.265 ccw(c131.173,103.521) 131.535,103.521 ccw(c131.897,103.521) v1@131.641,103.265 ; v1@131.434,39.265 ccw(c131.178,39.521) 131.541,39.521 ccw(c131.903,39.521) v1@131.647,39.265 ; 147.518,99.5 157.95,99.5 158.482,98.968 v1(158.482,97.698) ; 147.524,35.5 157.956,35.5 158.488,34.968 v1(158.488,33.698) ; v1@158.376,97.804 ccw(c158.12,98.06) 158.482,98.06 ccw(c158.844,98.06) v1@158.588,97.804 ; v1@158.381,33.804 ccw(c158.125,34.06) 158.488,34.06 ccw(c158.85,34.06) v1@158.594,33.804 ; v1@162.821,82.564 ccw(c162.565,82.82) 162.927,82.82 ccw(c163.289,82.82) v1@163.033,82.564 ; v1@162.821,84.13 cw(c162.565,83.874) 162.927,83.874 cw(c163.289,83.874) v1@163.033,84.13 ; v1@162.826,18.564 ccw(c162.57,18.82) 162.933,18.82 ccw(c163.295,18.82) v1@163.039,18.564 ; v1@162.826,20.13 cw(c162.57,19.874) 162.933,19.874 cw(c163.295,19.874) v1@163.039,20.13 ; v1(162.927,82.458) v1(162.927,84.236) ; v1(162.933,18.458) v1(162.933,20.236) ; v1(168.642,113.065) 178.802,113.065 178.817,113.05 v1@185.391,113.05 ; v1(168.648,49.065) 178.808,49.065 178.823,49.05 v1@185.397,49.05 ; v1@168.748,112.959 cw(c169.004,112.703) 169.004,113.065 cw(c169.004,113.427) v1@168.748,113.171 ; v1@168.754,48.959 cw(c169.01,48.703) 169.01,49.065 cw(c169.01,49.427) v1@168.754,49.171 ; v1@177.49,73.801 ccw(c177.233,74.057) 177.596,74.057 ccw(c177.958,74.057) v1@177.702,73.801 ; v1@177.49,79.304 cw(c177.233,79.048) 177.596,79.048 cw(c177.958,79.048) v1@177.702,79.304 ; v1@177.495,9.801 ccw(c177.239,10.057) 177.601,10.057 ccw(c177.963,10.057) v1@177.707,9.801 ; v1@177.495,15.304 cw(c177.239,15.048) 177.601,15.048 cw(c177.963,15.048) v1@177.707,15.304 ; v1(177.596,73.695) v1(177.596,79.41) ; v1(177.601,9.695) v1(177.601,15.41) ; v1(178.929,83.22) 185.279,83.22 185.66,82.84 v1(185.66,79.411) ; v1(178.935,19.22) 185.285,19.22 185.665,18.84 v1(185.665,15.411) ; v1@179.035,83.114 cw(c179.291,82.858) 179.291,83.22 cw(c179.291,83.582) v1@179.035,83.326 ; v1@179.041,19.114 cw(c179.297,18.858) 179.297,19.22 cw(c179.297,19.582) v1@179.041,19.326 ; v1(180.072,83.982) 186.422,83.983 187.184,83.221 v1(187.184,79.411) ; 180.072,130.119 cw(c180.072,128.67) 181.096,129.694 cw(c182.12,130.719) 180.672,130.719 ; 180.072,130.719 181.469,129.321 v1(181.469,118.272) ; v1(180.078,19.982) 186.427,19.983 187.189,19.221 v1(187.189,15.411) ; 180.077,66.119 cw(c180.077,64.67) 181.102,65.694 cw(c182.126,66.719) 180.677,66.719 ; 180.077,66.719 181.475,65.321 v1(181.475,54.272) ; v1@180.178,83.876 cw(c180.436,83.618) 180.436,83.983 ; v1@180.178,84.088 ccw(c180.433,84.343) 180.433,83.983 ; v1@180.184,19.876 cw(c180.441,19.618) 180.441,19.983 ; v1@180.184,20.088 ccw(c180.438,20.343) 180.438,19.983 ; v1@181.363,118.378 ccw(c181.107,118.634) 181.469,118.634 ccw(c181.831,118.634) v1@181.575,118.378 ; v1@181.368,54.378 ccw(c181.112,54.634) 181.475,54.634 ccw(c181.837,54.634) v1@181.581,54.378 ; 184.517,92.999 v1(185.533,92.999) ; 184.522,28.999 v1(185.539,28.999) ; 184.658,96.91 v1(188.327,96.91) ; 184.664,32.91 v1(188.333,32.91) ; 185.008,113.05 ccw(c185.008,113.463) v1@185.3,113.171 ; 185.013,49.05 ccw(c185.013,49.463) v1@185.305,49.171 ; 185.08,113.05 cw(c185.08,112.739) v1@185.3,112.959 ; 185.086,49.05 cw(c185.086,48.739) v1@185.305,48.959 ; v1@185.427,92.893 ccw(c185.171,92.637) 185.171,92.999 ccw(c185.171,93.361) v1@185.427,93.105 ; v1@185.432,28.893 ccw(c185.176,28.637) 185.176,28.999 ccw(c185.176,29.361) v1@185.432,29.105 ; v1@185.554,79.517 ccw(c185.298,79.773) 185.66,79.773 ccw(c186.022,79.773) v1@185.766,79.517 ; v1@185.559,15.517 ccw(c185.303,15.773) 185.665,15.773 ccw(c186.027,15.773) v1@185.771,15.517 ; v1@187.078,79.517 ccw(c186.822,79.773) 187.184,79.773 ccw(c187.546,79.773) v1@187.29,79.517 ; v1@187.083,15.517 ccw(c186.827,15.773) 187.189,15.773 ccw(c187.551,15.773) v1@187.295,15.517 ; 187.62,122.662 190.469,125.511 192.137,125.511 202.932,114.716 202.932,113.065 201.535,111.668 v1(201.535,103.159) ; 187.625,58.662 190.474,61.511 192.143,61.511 202.938,50.716 202.938,49.065 201.541,47.668 v1(201.541,39.159) ; v1@188.221,96.804 ccw(c187.965,96.548) 187.965,96.91 ccw(c187.965,97.272) v1@188.221,97.016 ; v1@188.226,32.804 ccw(c187.97,32.548) 187.97,32.91 ccw(c187.97,33.272) v1@188.226,33.016 ; v1@201.429,103.265 ccw(c201.173,103.521) 201.535,103.521 ccw(c201.897,103.521) v1@201.641,103.265 ; v1@201.434,39.265 ccw(c201.178,39.521) 201.541,39.521 ccw(c201.903,39.521) v1@201.647,39.265
  Bottom Layer w0.5: 7.518,99.501 7.527,99.501 ; 7.524,35.501 7.532,35.501 ; v1(15.942,92.872) 27.372,92.872 ; v1(15.948,28.872) 27.378,28.872 ; v2@16.15,102.5 ccw(c16.15,102.958) v2@16.473,102.634 ; v2@16.155,38.5 ccw(c16.155,38.958) v2@16.479,38.634 ; v2@16.552,102.5 v1@18.482,102.5 ; v2@16.557,38.5 v1@18.488,38.5 ; v2@16.686,102.634 ccw(c17.009,102.958) 17.009,102.5 ; v2@16.691,38.634 ccw(c17.015,38.958) 17.015,38.5 ; 33.595,85.056 v1(33.595,92.999) ; 33.601,21.056 v1(33.601,28.999) ; v1(40.263,79.41) v1(44.39,79.41) ; v1(40.268,15.41) v1(44.396,15.41) ; v1(41.596,109.255) v1(45.406,109.255) 49.453,109.255 55.24,115.042 ; v1(41.602,45.255) v1(45.412,45.255) 49.458,45.255 55.245,51.042 ; v2(44.517,85.056) 44.517,92.999 44.517,109.255 ; v2(44.522,21.056) 44.522,28.999 44.522,45.255 ; 53.399,113.451 cw(c52.795,113.451) 53.222,113.024 cw(c53.649,112.598) 53.649,113.201 ; 53.404,49.451 cw(c52.801,49.451) 53.228,49.024 cw(c53.654,48.598) 53.654,49.201 ; v1(53.788,107.35) 53.788,110.762 56.654,113.628 ; v1(53.794,43.35) 53.794,46.762 56.66,49.628 ; 54.813,112.037 cw(c54.21,112.037) 54.636,111.61 cw(c55.063,111.183) 55.063,111.787 ; 54.819,48.037 cw(c54.215,48.037) 54.642,47.61 cw(c55.069,47.183) 55.069,47.787 ; 77.518,99.501 77.527,99.501 ; 77.524,35.501 77.532,35.501 ; v1(85.942,92.872) 97.372,92.872 ; v1(85.948,28.872) 97.378,28.872 ; v2@86.15,102.5 ccw(c86.15,102.958) v2@86.473,102.634 ; v2@86.155,38.5 ccw(c86.155,38.958) v2@86.479,38.634 ; v2@86.552,102.5 v1@88.482,102.5 ; v2@86.557,38.5 v1@88.488,38.5 ; v2@86.686,102.634 ccw(c87.009,102.958) 87.009,102.5 ; v2@86.691,38.634 ccw(c87.015,38.958) 87.015,38.5 ; 103.595,85.056 v1(103.595,92.999) ; 103.601,21.056 v1(103.601,28.999) ; v1(110.263,79.41) v1(114.39,79.41) ; v1(110.268,15.41) v1(114.396,15.41) ; v1(111.596,109.255) v1(115.406,109.255) 119.453,109.255 125.24,115.042 ; v1(111.602,45.255) v1(115.412,45.255) 119.458,45.255 125.245,51.042 ; v2(114.517,85.056) 114.517,92.999 114.517,109.255 ; v2(114.522,21.056) 114.522,28.999 114.522,45.255 ; 123.399,113.451 cw(c122.795,113.451) 123.222,113.024 cw(c123.649,112.598) 123.649,113.201 ; 123.404,49.451 cw(c122.801,49.451) 123.228,49.024 cw(c123.654,48.598) 123.654,49.201 ; v1(123.788,107.35) 123.788,110.762 126.654,113.628 ; v1(123.794,43.35) 123.794,46.762 126.66,49.628 ; 124.813,112.037 cw(c124.21,112.037) 124.636,111.61 cw(c125.063,111.183) 125.063,111.787 ; 124.819,48.037 cw(c124.215,48.037) 124.642,47.61 cw(c125.069,47.183) 125.069,47.787 ; 147.518,99.501 147.527,99.501 ; 147.524,35.501 147.532,35.501 ; v1(155.942,92.872) 167.372,92.872 ; v1(155.948,28.872) 167.378,28.872 ; v2@156.15,102.5 ccw(c156.15,102.958) v2@156.473,102.634 ; v2@156.155,38.5 ccw(c156.155,38.958) v2@156.479,38.634 ; v2@156.552,102.5 v1@158.482,102.5 ; v2@156.557,38.5 v1@158.488,38.5 ; v2@156.686,102.634 ccw(c157.009,102.958) 157.009,102.5 ; v2@156.691,38.634 ccw(c157.015,38.958) 157.015,38.5 ; 173.595,85.056 v1(173.595,92.999) ; 173.601,21.056 v1(173.601,28.999) ; v1(180.263,79.41) v1(184.39,79.41) ; v1(180.268,15.41) v1(184.396,15.41) ; v1(181.596,109.255) v1(185.406,109.255) 189.453,109.255 195.24,115.042 ; v1(181.602,45.255) v1(185.412,45.255) 189.458,45.255 195.245,51.042 ; v2(184.517,85.056) 184.517,92.999 184.517,109.255 ; v2(184.522,21.056) 184.522,28.999 184.522,45.255 ; 193.399,113.451 cw(c192.795,113.451) 193.222,113.024 cw(c193.649,112.598) 193.649,113.201 ; 193.404,49.451 cw(c192.801,49.451) 193.228,49.024 cw(c193.654,48.598) 193.654,49.201 ; v1(193.788,107.35) 193.788,110.762 196.654,113.628 ; v1(193.794,43.35) 193.794,46.762 196.66,49.628 ; 194.813,112.037 cw(c194.21,112.037) 194.636,111.61 cw(c195.063,111.183) 195.063,111.787 ; 194.819,48.037 cw(c194.215,48.037) 194.642,47.61 cw(c195.069,47.183) 195.069,47.787
  Bottom Layer w0.6: v2(10.227,85.056) v2(44.517,85.056) ; v2(10.233,21.056) v2(44.522,21.056) ; v2(80.227,85.056) v2(114.517,85.056) ; v2(80.233,21.056) v2(114.522,21.056) ; v2(150.227,85.056) v2(184.517,85.056) ; v2(150.233,21.056) v2(184.522,21.056)
  Bottom Layer w0.8: v2(5.401,111.414) 5.401,102.501 ; v2@5.406,47.414 5.406,38.501 ; 7.518,99.5 5.885,99.5 5.401,99.984 5.401,102.501 ; 7.518,102.5 v2@16.552,102.5 ; 7.524,35.5 5.89,35.5 5.406,35.984 5.406,38.501 ; 7.524,38.5 v2@16.557,38.5 ; 7.527,102.501 5.401,102.501 ; 7.532,38.501 5.406,38.501 ; v2(75.401,111.414) 75.401,102.501 ; v2(75.407,47.414) 75.406,38.501 ; 77.518,99.5 75.885,99.5 75.401,99.984 75.401,102.501 ; 77.518,102.5 v2@86.552,102.5 ; 77.524,35.5 75.89,35.5 75.406,35.984 75.406,38.501 ; 77.524,38.5 v2@86.557,38.5 ; 77.527,102.501 75.401,102.501 ; 77.532,38.501 75.406,38.501 ; v2@145.401,111.414 145.401,102.501 ; v2(145.407,47.414) 145.406,38.501 ; 147.518,99.5 145.885,99.5 145.401,99.984 145.401,102.501 ; 147.518,102.5 v2@156.552,102.5 ; 147.524,35.5 145.89,35.5 145.406,35.984 145.406,38.501 ; 147.524,38.5 v2@156.557,38.5 ; 147.527,102.501 145.401,102.501 ; 147.532,38.501 145.406,38.501
  Bottom Layer w1: 16.577,89.189 26.356,89.189 27.372,90.205 27.372,92.872 27.372,114.335 ; 16.583,25.189 26.362,25.189 27.378,26.205 27.378,28.872 27.378,50.335 ; 86.577,89.189 96.356,89.189 97.372,90.205 97.372,92.872 97.372,114.335 ; 86.583,25.189 96.362,25.189 97.378,26.205 97.378,28.872 97.378,50.335 ; 156.577,89.189 166.356,89.189 167.372,90.205 167.372,92.872 167.372,114.335 ; 156.583,25.189 166.362,25.189 167.378,26.205 167.378,28.872 167.378,50.335
  Bottom Layer w1.3: 21.403,114.335 27.372,114.335 39.293,114.335 47.62,122.662 ; 21.409,50.335 27.378,50.335 39.298,50.335 47.625,58.662 ; 91.403,114.335 97.372,114.335 109.293,114.335 117.62,122.662 ; 91.409,50.335 97.378,50.335 109.298,50.335 117.625,58.662 ; 161.403,114.335 167.372,114.335 179.293,114.335 187.62,122.662 ; 161.409,50.335 167.378,50.335 179.298,50.335 187.625,58.662